# Altium PCB TIDA-01576_ADS8686S_AFE.PcbDoc (part 1 of 3) (continued)
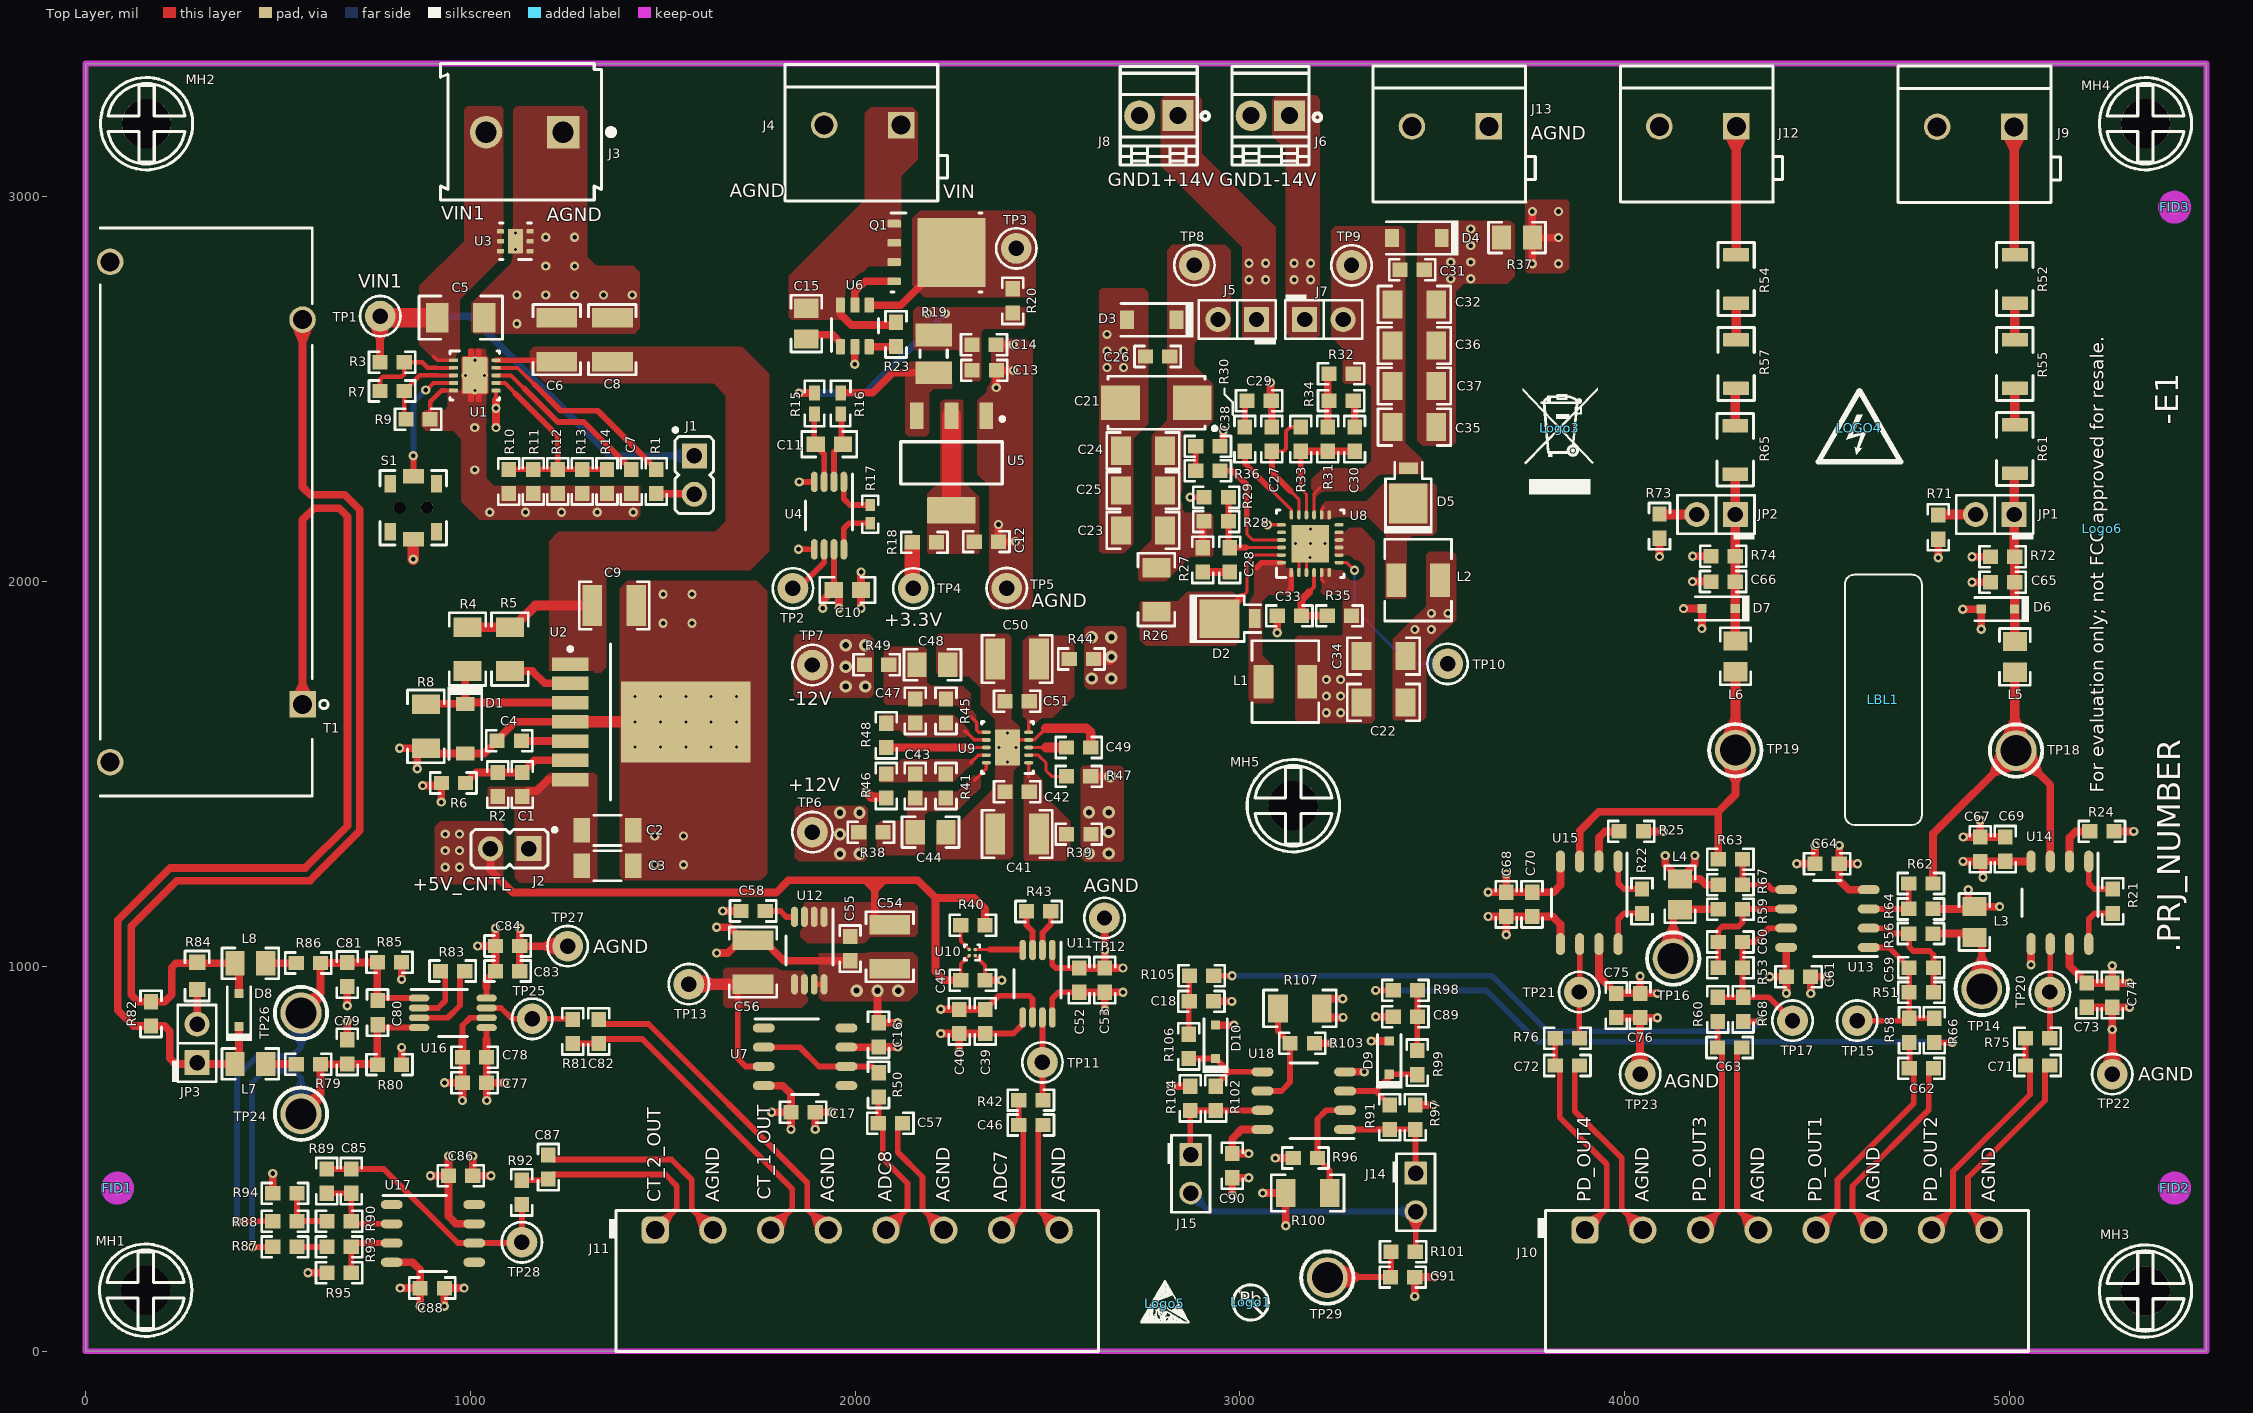
[diagram p0: Top Layer view]
## Classes and differential pairs
pad class MH: MH1-1 MH2-1 MH3-1 MH4-1 MH5-1
pad class u6: U6-1 U6-2 U6-3 U6-4 U6-5 U6-6
component class "TIDA-01576_ADS8686S_AFE_Pg6-Current Measurement and ZCD for Coherent Sampling": C16 C17 C18 C39 C40 C45 C46 C52 C53 C54 C55 C56 C57 C58 C77 C78 C79 C80 C81 C82 C83 C84 C85 C86 C87 C88 C89 C90 C91 D8 D9 D10 J11 J14 J15 J16 JP3 L7 L8 R40 R42 R43 R50 R79 R80 R81 R82 R83 R84 R85 R86 R87 R88 R89 R90 R91 R92 R93 R94 R95 R96 R97 R98 R99 R100 R101 R102 R103 R104 R105 R106 R107 SH-J5 SH-J6 T1 TP11 TP12 TP13 TP24 TP25 TP26 TP27 TP28 TP29 U7 U10 U11 U12 U16 U17 U18
component class "TIDA-01576_ADS8686S_AFE_Pg5-Voltage Measurement": C59 C60 C61 C62 C63 C64 C65 C66 C67 C68 C69 C70 C71 C72 C73 C74 C75 C76 D6 D7 J9 J10 J12 J13 JP1 JP2 L3 L4 L5 L6 R21 R22 R24 R25 R51 R52 R53 R54 R55 R56 R57 R58 R59 R60 R61 R62 R63 R64 R65 R66 R67 R68 R71 R72 R73 R74 R75 R76 SH-J3 SH-J4 TP14 TP15 TP16 TP17 TP18 TP19 TP20 TP21 TP22 TP23 U13 U14 U15
component class "TIDA-01576_ADS8686S_AFE_Pg4-5V-15V Split rail converter": C21 C22 C23 C24 C25 C26 C27 C28 C29 C30 C31 C32 C33 C34 C35 C36 C37 C38 C41 C42 C43 C44 C47 C48 C49 C50 C51 D2 D3 D4 D5 J5 J6 J7 J8 L1 L2 R26 R27 R28 R29 R30 R31 R32 R33 R34 R35 R36 R37 R38 R39 R41 R44 R45 R46 R47 R48 R49 SH-J1 SH-J2 TP6 TP7 TP8 TP9 TP10 U8 U9
component class "TIDA-01576_ADS8686S_AFE_Pg3-eFuse + 3.3V DC-DC": C1 C2 C3 C4 C5 C6 C7 C8 C9 C10 C11 C12 C13 C14 C15 D1 J1 J2 J3 J4 Q1 R1 R2 R3 R4 R5 R6 R7 R8 R9 R10 R11 R12 R13 R14 R15 R16 R17 R18 R19 R20 R23 S1 TP1 TP2 TP3 TP4 TP5 U1 U2 U3 U4 U5 U6
component class "Mounting Holes": MH1 MH2 MH3 MH4 MH5
component class Label: LBL1
component class FiducialMark: FID1 FID2 FID3
component class AssemblyNote: ZZ1 ZZ2 ZZ3 ZZ4
component class Header: J1 J2 J5 J7 J14 J15 JP1 JP2 JP3
component class TIDA-01576_ADS8686S_AFE_AFE_Pg7-Hardware: FID1 FID2 FID3 LBL1 Logo1 Logo3 LOGO4 Logo5 Logo6 MH1 MH2 MH3 MH4 MH5 ZZ1 ZZ2 ZZ3 ZZ4

## Components (designator, comment, footprint, x,y, rotation, side; value= is the part's Value field where it differs from the comment)
C1 "C0603C223K4RACTU" 0603#1 1135.23,1472.68 r90 top value=0.022uF
C2 "EMK316BB7226ML-T" 1206_190 1356.23,1353.68 r0 top value=22uF
C3 "EMK316BB7226ML-T" 1206_190 1356.23,1261.68 r0 top value=22uF
C4 "C0603C223K4RACTU" 0603#1 1101.23,1586.68 r180 top value=0.022uF
C5 "GRM31CR72A105KA01L" 1206_180M 975,2686 r0 top value=1uF
C6 "GRM32ER72A225KA35L" 1210_270 1224.57,2628.85 r90 top value=2.2uF
C7 "GRM188R71C223KA01D" 0603#1 1418.25,2260.27 r270 top value=0.022uF
C8 "GRM32ER71J106KA12L" 1210_270 1369,2628.85 r90 top value=10uF
C9 "GRM32ER71J106KA12L" 1210_270 1374,1938 r0 top value=10uF
C10 "06033C104JAT2A" 0603M 1980,1978 r180 top value=0.1uF
C11 "C0603C223K3RACTU" 0603M 1933,2357 r0 top value=0.022uF
C12 "C0603C106M9PACTU" 0603#2 2341,2104 r0 top value=10uF
C13 "C0603C104K5RACTU" 0603#2 2335.47,2548.91 r0 top value=0.1uF
C14 "C0603C106M9PACTU" 0603#1 2334.93,2615.42 r0 top value=10uF
C15 "C0805C225K8RACTU" 0805_HV 1873.31,2670.54 r270 top value=2.2uF
C16 "06033C104JAT2A" 0603#1 2060.91,822.19 r270 top value=0.1uF
C17 "06033C104JAT2A" 0603#1 1865,621 r180 top value=0.1uF
C18 "C1608C0G1E103J080AA" 0603#1 2899.94,909.18 r180 top value=0.01uF
C21 "293D475X9025C2TE3" 6032-28 2783,2465 r180 top value=4.7uF
C22 "C3216X7R1E475M160AC" 1206 3373,1686.48 r0 top value=4.7uF
C23 "C3216X7R1E475M160AC" 1206 2748.14,2133.12 r180 top value=4.7uF
C24 "C3216X7R1E475M160AC" 1206 2748.14,2340.12 r180 top value=4.7uF
C25 "C3216X7R1E475M160AC" 1206 2748.14,2237.12 r180 top value=4.7uF
C26 "GRM188R70J103KA01D" 0603#1 2786.14,2585.12 r180 top value=0.01uF
C27 "C0603C224K9RACTU" 0603#1 3083,2370.5 r270 top value=0.22uF
C28 "C0603C100J5GACTU" 0603#1 2973.47,2056.48 r90 top value=10pF
C29 "GRM188R70J103KA01D" 0603#1 3050,2470 r180 top value=0.01uF
C30 "C0603C100J5GACTU" 0603#1 3298,2370.5 r270 top value=10pF
C31 "GRM188R70J103KA01D" 0603#1 3447.67,2810.48 r0 top value=0.01uF
C32 "C3216X7R1E475M160AC" 1206 3453.47,2720.48 r0 top value=4.7uF
C33 "GRM188R61E105KA12D" 0603#1 3128.47,1911 r180 top value=1uF
C34 "C3216X7R1E475M160AC" 1206 3373,1806.48 r0 top value=4.7uF
C35 "C3216X7R1E475M160AC" 1206 3453.47,2401.48 r0 top value=4.7uF
C36 "C3216X7R1E475M160AC" 1206 3453.47,2613.48 r0 top value=4.7uF
C37 "C3216X7R1E475M160AC" 1206 3453.47,2508.48 r0 top value=4.7uF
C38 "GRM188R70J103KA01D" 0603#1 2916.87,2351.38 r0 top value=0.01uF
C39 "GRM188R61C105KA93D" 0603#1 2338.25,857 r90 top value=1uF
C40 "CGA3E2X8R1E104K080AA" 0603#1 2270.75,857 r90 top value=0.1uF
C41 "" 1210 2421,1343.93 r0 top value=10uF
C42 "GRM188R61E105KA12D" 0603#1 2421,1453.93 r180 top value=1uF
C43 "GRM188R70J103KA01D" 0603#1 2156.07,1468.93 r90 top value=0.01uF
C44 "C0805C225K8RACTU" 0805_HV 2196,1348.93 r0 top value=2.2uF
C45 "GRM188R61E105KA12D" 0603#1 2306,964 r0 top value=1uF
C46 "06033C101KAT2A" 0603#1 2456.69,587.89 r0 top value=100pF
C47 "GRM188R70J103KA01D" 0603#1 2156,1663.93 r270 top value=0.01uF
C48 "C0805C225K8RACTU" 0805_HV 2201,1783.93 r0 top value=2.2uF
C49 "GRM188R70J103KA01D" 0603#1 2581,1568.93 r0 top value=0.01uF
C50 "" 1210 2421,1798.93 r0 top value=10uF
C51 "GRM188R61E105KA12D" 0603#1 2421,1688.93 r180 top value=1uF
C52 "CGA3E2X8R1E104K080AA" 0603#1 2582.07,964.31 r90 top value=0.1uF
C53 "GRM188R61C105KA93D" 0603#1 2649.07,964.31 r90 top value=1uF
C54 "" 1210 2089.91,1051.19 r90 top value=10uF
C55 "GRM188R61E105KA12D" 0603#1 1986.91,1046.19 r270 top value=1uF
C56 "" 1210 1734.91,1011.19 r270 top value=10uF
C57 "06033C101KAT2A" 0603#1 2091.63,592.12 r0 top value=100pF
C58 "GRM188R61E105KA12D" 0603#1 1734.91,1144 r0 top value=1uF
C59 "06033C101KAT2A" 0603#1 4770.5,997 r180 top value=100pF
C60 "06033C101KAT2A" 0603#1 4274.63,1063.46 r0 top value=100pF
C61 "06033C104JAT2A" 0603#1 4451.63,973.46 r180 top value=0.1uF
C62 "06033C101KAT2A" 0603#1 4770.73,735 r0 top value=100pF
C63 "06033C101KAT2A" 0603#1 4272.63,789.46 r0 top value=100pF
C64 "06033C104JAT2A" 0603#1 4526,1267 r0 top value=0.1uF
C65 "C1608C0G1H102J080AA" 0603#1 4981.89,1998.66 r0 top value=1000pF
C66 "C1608C0G1H102J080AA" 0603#1 4255.56,2000.13 r0 top value=1000pF
C67 "GRM188R61C105KA93D" 0603#1 4923.89,1304.46 r90 top value=1uF
C68 "GRM188R61C105KA93D" 0603#1 3692.15,1161.35 r270 top value=1uF
C69 "CGA3E2X8R1E104K080AA" 0603#1 4989.22,1305 r90 top value=0.1uF
C70 "CGA3E2X8R1E104K080AA" 0603#1 3759.15,1161.35 r270 top value=0.1uF
C71 "06033C101KAT2A" 0603#1 5072.89,742.46 r0 top value=100pF
C72 "06033C101KAT2A" 0603#1 3850.89,742.46 r0 top value=100pF
C73 "CGA3E2X8R1E104K080AA" 0603#1 5200.89,925.46 r270 top value=0.1uF
C74 "GRM188R61C105KA93D" 0603#1 5266.89,925.46 r270 top value=1uF
C75 "CGA3E2X8R1E104K080AA" 0603#1 3977.81,898.46 r270 top value=0.1uF
C76 "GRM188R61C105KA93D" 0603#1 4039.89,898.46 r270 top value=1uF
C77 "GRM188R61C105KA93D" 0603#1 1011,698 r180 top value=1uF
C78 "CGA3E2X8R1E104K080AA" 0603#1 1011,764 r180 top value=0.1uF
C79 "C0603X102K5RACTU" 0603#1 680,778 r90 top value=1000pF
C80 "06031C103KAT2A" 0603#1 759,880 r90 top value=0.01uF
C81 "C0603X102K5RACTU" 0603#1 680,979 r90 top value=1000pF
C82 "06033C101KAT2A" 0603#1 1334,831 r90 top value=100pF
C83 "CGA3E2X8R1E104K080AA" 0603#1 1097,988 r0 top value=0.1uF
C84 "GRM188R61C105KA93D" 0603#1 1097,1053 r0 top value=1uF
C85 "06033C101KAT2A" 0603#1 690.5,442.2 r90 top value=100pF
C86 "06033C104JAT2A" 0603#1 975,456.2 r180 top value=0.1uF
C87 "06033C101KAT2A" 0603#1 1203,478.7 r90 top value=100pF
C88 "06033C104JAT2A" 0603#1 901,164.2 r180 top value=0.1uF
C89 "C1608C0G1E103J080AA" 0603#1 3429.94,869.18 r0 top value=0.01uF
C90 "06033C104JAT2A" 0603#1 2979.94,482.18 r90 top value=0.1uF
C91 "C1608C0G1E103J080AA" 0603#1 3423,192.73 r180 top value=0.01uF
D1 "MMSZ5231B-7-F" SOD-123 987.23,1617.88 r270 top value=5.1V
D2 "MBRM120ET1G" POWERMITE 2993,1904 r0 top value=20V
D3 "DZ2W15000L" SOD-123 2771.14,2680.12 r180 top value=15V
D4 "DZ2W15000L" SOD-123 3460,2893 r180 top value=15V
D5 "MBRM120ET1G" POWERMITE 3438,2249 r90 top value=20V
D6 "PESD12VL1BA,115" SOD-323 4969.89,1928.46 r180 top value=12V
D7 "PESD12VL1BA,115" SOD-323 4243.85,1929.93 r180 top value=12V
D8 "PESD12VL1BA,115" SOD-323 398.81,886.84 r90 top value=12V
D9 "BAV19WS-7-F" SOD-323 3387.94,763.18 r90 top value=100V
D10 "BAV19WS-7-F" SOD-323 2936.94,804.18 r90 top value=100V
FID1 "" Fiducial10-20 83,424 r0 top
FID2 "" Fiducial10-20 5429,424 r0 top
FID3 "" Fiducial10-20 5429,2973 r0 top
J1 "PBC02SAAN" Sullins_PBC02SAAN 1582,2277 r0 top
J2 "PBC02SAAN" Sullins_PBC02SAAN 1102.23,1305.88 r270 top
J3 "VIN1" TEC_282841-2 1141,3168 r180 top
J4 "ED120/2DS" CONN_ED120-2DS 2019.43,3186.42 r90 top
J5 "5-146280-2" TSW-102-07-G-S 2993.14,2681.12 r180 top
J6 "CON-OSTVN02A150" CN2_MTB_P100_PD80_D1.1_S5.54X6.5_STACK 3079,3210.86 r180 top
J7 "5-146280-2" TSW-102-07-G-S 3218.14,2681.12 r0 top
J8 "CON-OSTVN02A150" CN2_MTB_P100_PD80_D1.1_S5.54X6.5_STACK 2789.06,3211 r180 top
J9 "ED120/2DS" CONN_ED120-2DS 4912,3182 r90 top
J10 "1803332" Phoenix_1803332 4422,181.1 r0 top
J11 "1803332" Phoenix_1803332 2005.36,180.96 r0 top
J12 "ED120/2DS" CONN_ED120-2DS 4190,3183 r90 top
J13 "ED120/2DS" CONN_ED120-2DS 3547,3183 r90 top
J14 "PEC02SAAN" CONN_PEC02SAAN 3457,413 r270 top
J15 "PEC02SAAN" CONN_PEC02SAAN 2872,461 r270 top
JP1 "5-146280-2" TSW-102-07-G-S 4961.89,2174.46 r180 top
JP2 "5-146280-2" TSW-102-07-G-S 4237.34,2174.43 r180 top
JP3 "5-146280-2" TSW-102-07-G-S 290,800 r90 top
L1 "VLF504012MT-4R7M" IND_VLF504012 3118.14,1740.12 r180 top value=4.7uH
L2 "VLF504012MT-4R7M" IND_VLF504012 3463,2004 r0 top value=4.7uH
L3 "FBMJ2125HM210NT" 0805_HV 4908.63,1115.46 r270 top value="21 ohm@100 Mhz"
L4 "FBMJ2125HM210NT" 0805_HV 4143.63,1187.46 r270 top value="21 ohm@100 Mhz"
L5 "FBMJ2125HM210NT" 0805_HV 5013.89,1804.46 r270 top value="21 ohm@100 Mhz"
L6 "FBMJ2125HM210NT" 0805_HV 4287.85,1805.93 r270 top value="21 ohm@100 Mhz"
L7 "FBMJ2125HM210NT" 0805_HV 428.49,746.53 r0 top value="21 ohm@100 Mhz"
L8 "FBMJ2125HM210NT" 0805_HV 428.49,1008.02 r0 top value="21 ohm@100 Mhz"
LBL1 "" Label_650x200 4672,1693 r90 top
Logo1 "Pb-Free Symbol" Pb-Free_Overlay_Small 3028,126.9 r0 top
Logo3 "WEEE logo" WEEE_Minimum 3831,2399 r0 top
LOGO4 "DANGER HIGH VOLTAGE" IEC_HighVoltage_Small 4610,2399.11 r0 top
Logo5 "ESD Susceptible" ESD_Overlay_small 2804,122.92 r0 top
Logo6 "FCC disclaimer" FCC_disclaimer 5241,2137 r90 top
MH1 "" MH3.2 156.42,158.53 r0 top
MH2 "" MH3.2 158.53,3190.04 r0 top
MH3 "" MH3.2 5353.28,156.42 r0 top
MH4 "" MH3.2 5353.28,3190.04 r0 top
MH5 "" MH3.2 3138.84,1417.67 r0 top
Q1 "CSD18534Q5A" DQJ0008A 2211.47,2855.42 r0 top value=60V
R1 "CRCW060349K9FKEA" 0603#1 1483.25,2260.27 r270 top value=49.9k
R2 "RC0603FR-075K62L" 0603#1 1071.23,1472.68 r270 top value=5.62k
R3 "CRCW0603887KFKEA" 0603#1 796.69,2570.27 r180 top value=887k
R4 "CRCW120668K1FKEA" 1206 992.54,1824.68 r90 top value=68.1k
R5 "RC1206FR-0761K9L" 1206 1102.54,1824.68 r90 top value=61.9k
R6 "ERA-3AEB1071V" 0603#1 956.23,1476.68 r0 top value=1.07k
R7 "CRCW060329K4FKEA" 0603#1 796.69,2495.27 r180 top value=29.4k
R8 "CRCW120611K8FKEA" 1206 884.23,1623.88 r90 top value=11.8k
R9 "CRCW060334K0FKEA" 0603#1 864.14,2422.27 r180 top value=34.0k
R10 "CRCW06037K50FKEA" 0603#1 1099.83,2260.18 r90 top value=7.50k
R11 "CRCW060313K3FKEA" 0603#1 1163.25,2260.27 r90 top value=13.3k
R12 "CRCW060326K7FKEA" 0603#1 1227.25,2260.27 r90 top value=26.7k
R13 "CRCW060344K2FKEA" 0603#1 1291.25,2260.27 r90 top value=44.2k
R14 "CRCW0603267KFKEA" 0603#1 1355.25,2260.27 r90 top value=267k
R15 "CRCW0402499RFKED" 0402M 1894.31,2463.04 r270 top value=499
R16 "CRCW0402499RFKED" 0402M 1962.31,2463.04 r270 top value=499
R17 "CRCW04022K00FKED" 0402 2039.31,2175.35 r270 top value=2.00k
R18 "CRCW06030000Z0EA" 0603#1 2180,2102 r180 top value=0
R19 "RL1220S-R50-F" RL1220 2204,2592 r270 top value=0.5
R20 "CRCW06030000Z0EA" 0603#1 2409.31,2729.54 r270 top value=0
R21 "RG1608P-8061-B-T5" 0603#1 5267.89,1169.46 r270 top value=8.06k
R22 "RG1608P-8061-B-T5" 0603#1 4044.89,1169.46 r270 top value=8.06k
R23 "CRCW06030000Z0EA" 0603#1 2106.31,2642.69 r270 top value=0
R24 "RC0603JR-070RL" 0603#1 5240,1350.89 r0 top value=0
R25 "RC0603JR-070RL" 0603#1 4017,1350.89 r0 top value=0
R26 "CRCW12060000Z0EA" 1206 2783,1979 r90 top value=0
R27 "CRCW06030000Z0EA" 0603#1 2903.47,2056.48 r90 top value=0
R28 "CRCW0603576KFKEA" 0603#1 2938.47,2156.48 r180 top value=576k
R29 "RG1608P-4992-B-T5" 0603#1 2938.47,2219.38 r180 top value=49.9k
R30 "CRCW06030000Z0EA" 0603#1 3013,2370.5 r90 top value=0
R31 "CRCW0603620KFKEA" 0603#1 3228,2370.5 r90 top value=620k
R32 "CRCW06030000Z0EA" 0603#1 3263,2540.5 r0 top value=0
R33 "RG1608P-4992-B-T5" 0603#1 3158,2370.5 r270 top value=49.9k
R34 "RG1608P-4992-B-T5" 0603#1 3263,2470.5 r180 top value=49.9k
R35 "CR0603-J/-1R0ELF" 0603#1 3258.47,1911 r180 top value=1.00
R36 "CRCW06031K00JNEA" 0603#1 2916.87,2288.38 r180 top value=1.0k
R37 "CRCW08050000Z0EA" 0805_HV 3720,2894 r180 top value=0
R38 "CRCW06030000Z0EA" 0603#1 2041,1348.93 r180 top value=0
R39 "CRCW06030000Z0EA" 0603#1 2581.09,1343.93 r180 top value=0
R40 "RG1608P-103-B-T5" 0603#1 2306,1107 r0 top value=10.0k
R41 "CRCW0603249KFKEA" 0603#1 2236,1468.93 r270 top value=249k
R42 "RG1608P-101-B-T5" 0603#1 2456.69,652.66 r180 top value=100
R43 "RG1608P-8061-B-T5" 0603#1 2477,1143 r180 top value=8.06k
R44 "CRCW06030000Z0EA" 0603#1 2588.09,1798.93 r180 top value=0
R45 "CRCW0603249KFKEA" 0603#1 2236.07,1663.93 r90 top value=249k
R46 "RC0603FR-0727KL" 0603#1 2081,1468.93 r90 top value=27.0k
R47 "CRCW06030000Z0EA" 0603#1 2581,1493.93 r180 top value=0
R48 "RC0603FR-0724KL" 0603#1 2081,1600.43 r90 top value=24.0k
R49 "CRCW06030000Z0EA" 0603#1 2056,1783.93 r180 top value=0
R50 "RG1608P-101-B-T5" 0603#1 2060.91,692.19 r270 top value=100
R51 "RG1608P-683-B-T5" 0603#1 4770.63,932.46 r0 top value=68.0k
R52 "TNPV1206330KBEEN" TNPV1206 5013.89,2786.46 r90 top value=330k
R53 "RG1608P-683-B-T5" 0603#1 4274.63,996.46 r180 top value=68.0k
R54 "TNPV1206330KBEEN" TNPV1206 4289.34,2786.43 r90 top value=330k
R55 "TNPV1206330KBEEN" TNPV1206 5013.89,2565.46 r90 top value=330k
R56 "RG1608P-103-B-T5" 0603#1 4769.63,1085.46 r0 top value=10.0k
R57 "TNPV1206330KBEEN" TNPV1206 4289.34,2565.43 r90 top value=330k
R58 "RG1608P-101-B-T5" 0603#1 4739.73,834 r270 top value=100
R59 "RG1608P-103-B-T5" 0603#1 4274.63,1148.46 r180 top value=10.0k
R60 "RG1608P-101-B-T5" 0603#1 4241.63,888.46 r270 top value=100
R61 "TNPV1206330KBEEN" TNPV1206 5013.89,2344.46 r90 top value=330k
R62 "RG1608P-103-B-T5" 0603#1 4769.63,1215.46 r0 top value=10.0k
R63 "RG1608P-103-B-T5" 0603#1 4274.63,1278.46 r180 top value=10.0k
R64 "RG1608P-683-B-T5" 0603#1 4769.63,1149.46 r180 top value=68.0k
R65 "TNPV1206330KBEEN" TNPV1206 4287.34,2342.43 r90 top value=330k
R66 "RC0603JR-070RL" 0603#1 4804.23,834 r90 top value=0
R67 "RG1608P-683-B-T5" 0603#1 4274.63,1212.46 r0 top value=68.0k
R68 "RC0603JR-070RL" 0603#1 4307.63,888.46 r90 top value=0
R71 "RG1608P-3921-B-T5" 0603#1 4814.89,2141.46 r90 top value=3.92k
R72 "RG1608P-3012-B-T5" 0603#1 4981.89,2064.66 r0 top value=30.1k
R73 "RG1608P-3921-B-T5" 0603#1 4090.35,2144.43 r90 top value=3.92k
R74 "RG1608P-3012-B-T5" 0603#1 4255.85,2066.13 r0 top value=30.1k
R75 "RG1608P-101-B-T5" 0603#1 5072.89,813.46 r180 top value=100
R76 "RG1608P-101-B-T5" 0603#1 3850.89,813.46 r180 top value=100
R79 "RT0603BRD07249RL" 0603#1 579,746 r0 top value=249
R80 "RG1608P-104-B-T5" 0603#1 790,745 r180 top value=100k
R81 "RG1608P-101-B-T5" 0603#1 1266,831 r270 top value=100
R82 "RC0603FR-07169RL" 0603#1 170.31,876.84 r270 top value=169
R83 "RG1608P-8061-B-T5" 0603#1 954,988 r0 top value=8.06k
R84 "CPF-A-0603B15RE" CPF0603 290,975.43 r270 top value=15.0
R85 "RG1608P-104-B-T5" 0603#1 790,1011 r0 top value=100k
R86 "RT0603BRD07249RL" 0603#1 579,1009 r0 top value=249
R87 "RC0603JR-070RL" 0603#1 518,271.15 r180 top value=0
R88 "RC0603JR-070RL" 0603#1 518,338.16 r180 top value=0
R89 "RG1608P-823-B-T5" 0603#1 627,442.2 r270 top value=82.0k
R90 "RG1608P-822-B-T5" 0603#1 659,338.16 r180 top value=8.20k
R91 "CRCW06031M00FKEA" 0603#1 3388.94,608.18 r90 top value=1.00Meg
R92 "RG1608P-101-B-T5" 0603#1 1133.72,413 r90 top value=100
R93 "RG1608P-822-B-T5" 0603#1 659,271.15 r180 top value=8.20k
R94 "RC0603JR-070RL" 0603#1 518,410.2 r180 top value=0
R95 "RG1608P-104-B-T5" 0603#1 659,204.2 r0 top value=100k
R96 "CRCW060310K0FKEA" 0603#1 3169.94,502.18 r180 top value=10k
R97 "CRCW060310K0FKEA" 0603#1 3455.94,608.18 r90 top value=10.0k
R98 "CRCW0603100RFKEA" 0603#1 3429.94,937.72 r0 top value=100
R99 "CRCW060310K0FKEA" 0603#1 3460.94,750.18 r270 top value=10k
R100 "RC1206FR-07470RL" 1206 3175.94,411.18 r0 top value=470
R101 "CRCW0603100RFKEA" 0603#1 3424,258.73 r180 top value=100
R102 "CRCW06031M00FKEA" 0603#1 2936.94,657.18 r90 top value=1.00Meg
R103 "CRCW060310K0FKEA" 0603#1 3161.94,800.18 r0 top value=10k
R104 "CRCW060310K0FKEA" 0603#1 2870.94,657.18 r90 top value=10.0k
R105 "CRCW0603100RFKEA" 0603#1 2900.39,976 r180 top value=100
R106 "CRCW060310K0FKEA" 0603#1 2866.94,792.18 r270 top value=10k
R107 "RC1206FR-07470RL" 1206 3155.94,891.18 r180 top value=470
S1 "PTS820 J20M SMTR LFS" SW_PTS820 852,2192 r90 top
T1 "CR8350-2500-N" XFMR_CR8350-2500-N 314,2181 r180 top
TP1 "5000" Keystone5000 766,2690 r180 top
TP2 "5000" Keystone5000 1838.31,1982.54 r180 top
TP3 "5000" Keystone5000 2419,2866 r0 top
TP4 "5000" Keystone5000 2151.31,1982.54 r270 top
TP5 "5001" Keystone5001 2394,1983 r0 top
TP6 "5000" Keystone5000 1889,1349 r90 top
TP7 "5000" Keystone5000 1889,1783.32 r90 top
TP8 "5000" Keystone5000 2881.67,2822.35 r0 top
TP9 "5000" Keystone5000 3290,2822 r0 top
TP10 "5002" Keystone5002 3539.67,1786.48 r270 top value=White
TP11 "5002" Keystone5002 2486.69,750.66 r0 top value=White
TP12 "5001" Keystone5001 2648,1126 r0 top value=Black
TP13 "5002" Keystone5002 1568,954 r0 top value=White
TP14 "Suggest using a net name here" Keystone1573-2 4927.89,941.46 r270 top value=Double
TP15 "5002" Keystone5002 4604,859 r0 top value=White
TP16 "Suggest using a net name here" Keystone1573-2 4125.89,1020.46 r270 top value=Double
TP17 "5002" Keystone5002 4436,859 r0 top value=White
TP18 "Suggest using a net name here" Keystone1573-2 5017,1561 r270 top value=Double
TP19 "Suggest using a net name here" Keystone1573-2 4287.34,1562 r270 top value=Double
TP20 "5002" Keystone5002 5104.89,933.46 r0 top value=White
TP21 "5002" Keystone5002 3881.89,933.46 r0 top value=White
TP22 "5001" Keystone5001 5266.89,720 r0 top value=Black
TP23 "5001" Keystone5001 4040,720 r0 top value=Black
TP24 "Suggest using a net name here" Keystone1573-2 560,617 r0 top value=Double
TP25 "5002" Keystone5002 1161,864 r90 top value=White
TP26 "Suggest using a net name here" Keystone1573-2 560,879 r0 top value=Double
TP27 "5001" Keystone5001 1253,1052.66 r90 top value=Black
TP28 "5002" Keystone5002 1134,283.2 r90 top value=White
TP29 "Suggest using a net name here" Keystone1573-2 3227,191.4 r270 top value=Double
U1 "TPS26624DRCR" DRC0010J 1011.69,2535.94 r0 top
U2 "LMZ14201TZ-ADJ/NOPB" TZA07A_V 1470.23,1635.68 r0 top
U3 "TVS3300DRVR" DRV0006A 1117,2884.72 r180 top
U4 "INA333AIDGKR" DGK0008A_N 1932.31,2171.54 r270 top
U5 "TLV1117LV33DCYR" DCY0004A_N 2250.43,2308.39 r270 top
U6 "LM74700QDBVTQ1" DBV0006A_N 1999.24,2664.42 r90 top
U7 "OPA180IDR" D0008A_N 1869.91,765.19 r0 top
U8 "TPS65131RGET" RGE0024B 3182.8,2098.53 r90 top
U9 "TPS7A3901DSC" DSC0010J 2396,1568.93 r180 top
U10 "LMT70YFQR" YFQ0004ACAC 2304.13,1036.13 r180 top
U11 "INA826AIDGK" DGK0008A_N 2474,955 r270 top
U12 "REF6241IDGKR" DGK0008A_N 1880.91,1041.19 r270 top
U13 "OPA2188AID" D0008A_N 4526.63,1124.46 r180 top
U14 "INA188ID" D0008A_N 5130.89,1165.46 r270 top
U15 "INA188ID" D0008A_N 3907.89,1165.46 r270 top
U16 "INA826AIDGK" DGK0008A_N 954.6,879.39 r0 top
U17 "OPA188AID" D0008A_N 903,306.2 r0 top
U18 "LM2903DR" D0008A_N 3165.94,651.18 r180 top
ZZ1 "This Assembly Note is for PCB labels only" AssemblyNoteLabel 178,5385.67 r0 top
ZZ2 "These assemblies are ESD sensitive, ESD precautions shall be observed." AssemblyNote 179,5280.67 r0 top
ZZ3 "These assemblies must be clean and free from flux and all contaminants. Use of no clean flux is not acceptable." AssemblyNote 176,5171.67 r0 top
ZZ4 "These assemblies must comply with workmanship standards IPC-A-610 Class 2, unless otherwise specified." AssemblyNote 174,5071.67 r0 top

## Footprints (in the part's own frame and the unit in brackets; to place one, negate y for a bottom-side part, rotate by r counter-clockwise, add the part's x,y. Pads: shape width x height; smd on the part's side, far side on the other; paste and mask are expansions set on the pad)
0402 [mm] "0402 from SM-752 data"
  rect 0.8x0.6 smd: 1(-0.6,0) 2(0.6,0)
  silkscreen extent -1.22,-0.52 1.22,0.52, body extent -0.55,-0.3 0.55,0.3, height 0.6
0402M [mm] "0402 from SM-752 data"
  rect 1x0.7 smd: 1(-0.7,0) 2(0.7,0)
  silkscreen extent -1.5,-0.64 1.51,0.65, body extent -0.55,-0.3 0.55,0.3, height 0.6
0603#1 [mm] "0603 from SM-752 data"
  rect 1x0.95 smd: 1(-0.8,0) 2(0.8,0)
  silkscreen extent -1.52,-0.69 1.52,0.69, body extent -0.87,-0.47 0.87,0.47, height 1
0603#2 [mm] "0603 from SM-752 data"
  rect 1x0.95 smd mask+0.102: 1(-0.8,0) 2(0.8,0)
  silkscreen extent -1.52,-0.69 1.52,0.69, body extent -0.87,-0.47 0.87,0.47, height 0.85
0603M [mm] "0603 from SM-752 data"
  rect 1.2x1.05 smd: 1(-0.9,0) 2(0.9,0)
  silkscreen extent -1.82,-0.84 1.82,0.84, body extent -0.87,-0.47 0.87,0.47, height 1
0805_HV [mil] "0805 with 30mil clearance between pads"
  rect 50x63 smd: 1(-40,0) 2(40,0)
  silkscreen extent -74,-40 74,40, body extent -43,-29 43,29, height 57
1206 [mm] "1206 from SM-752 data"
  rect 1.3x1.85 smd: 1(-1.45,0) 2(1.45,0)
  silkscreen extent -2.4,-1.21 2.4,1.21, body extent -1.7,-0.9 1.7,0.9, height 1.35
1206_180M [mm] "1206_180"
  rect 1.5x1.95 smd: 1(-1.55,0) 2(1.55,0)
  silkscreen extent -2.76,-1.44 2.76,1.44, body extent -1.75,-0.95 1.75,0.95, height 1.8
1206_190 [mm] "1206_190"
  rect 1.1x1.6 smd: 1(-1.7,0) 2(1.7,0)
  silkscreen extent -0.9,-1 0.9,1, body extent -1.75,-0.95 1.75,0.95, height 1.9
1210 [mm] "1210 from SM-752 data"
  rect 1.3x2.7 smd: 1(-1.45,0) 2(1.45,0)
  silkscreen extent -2.32,-1.57 2.32,1.57, body extent -1.7,-1.35 1.7,1.35, height 1.35
1210_270 [mm] "1210"
  rect 1.3x2.7 smd: 1(-1.45,0) 2(1.45,0)
  silkscreen extent -2.32,-1.57 2.32,1.57, body extent -1.7,-1.35 1.7,1.35, height 2.7
6032-28 [mm] "Medium Density IPC based on Vishay Sprague 293D datasheet."
  rect 2.55x2.3 smd: 1(-2.375,0) 2(2.375,0)
  silkscreen extent -3.96,-1.75 3.2,1.82, body extent -3.15,-1.75 3.15,1.75, height 2.8
AssemblyNote [mil] "Assembly Note"
AssemblyNoteLabel [mil] "Assembly Note for PCB Labels"
CN2_MTB_P100_PD80_D1.1_S5.54X6.5_STACK [mil]
  rect 80x80 / inner round 80 / far side rect 80x80 hole 44: 1(-50,0)
  round 80 hole 44: 2(50,0)
  silkscreen extent -132,-128 100,128
CONN_ED120-2DS [mm] "ONSHORE"
  rect 1.75x1.75 hole 1.25: 1(0,-2.54)
  round 1.75 hole 1.25: 2(0,2.54)
  silkscreen extent -5,-5.6 4,5.12, body extent -5,-5.6 4.15,5.12, height 13.1
CONN_PEC02SAAN [mm] "SULLINS"
  rrect7% 1.5x1.5 hole 1.016: 1(-1.27,0)
  round 1.5 hole 1.016: 2(1.27,0)
  silkscreen extent -2.54,-1.52 2.54,1.27, body extent -2.54,-1.27 2.54,1.27, height 8.38
CPF0603 [mm] "TE Connectivity"
  rect 1x1.1 smd: 1(-0.9,0) 2(0.9,0)
  silkscreen extent -1.65,-0.8 1.65,0.8, body extent -0.82,-0.45 0.82,0.45, height 0.55
D0008A_N [mm] "SOIC, 8-Leads, Body 4.9x3.9mm, Pitch 1.27mm, IPC Medium Density"
  oval 1.45x0.6 smd: 1(-2.725,1.905) 2(-2.725,0.635) 3(-2.725,-0.635) 4(-2.725,-1.905) 5(2.725,-1.905) 6(2.725,-0.635) 7(2.725,0.635) 8(2.725,1.905)
  silkscreen extent -3.3,-2.5 0.9,2.5, body extent -3,-2.45 3,2.45, height 1.63
DBV0006A_N [mm] "SOT23, 6-Leads, Body 2.9x1.6mm, Pitch 0.95mm, Lead Span 2.8mm, IPC Medium Density"
  rrect17% 1x0.6 smd: 1(-1.375,0.95) 2(-1.375,0) 3(-1.375,-0.95) 4(1.375,-0.95) 5(1.375,0) 6(1.375,0.95)
  silkscreen extent -1.68,-1.55 0.5,1.55, body extent -1.42,-1.46 1.42,1.46, height 1.12